# KiCad board ECUGDI.kicad_pcb (continued)
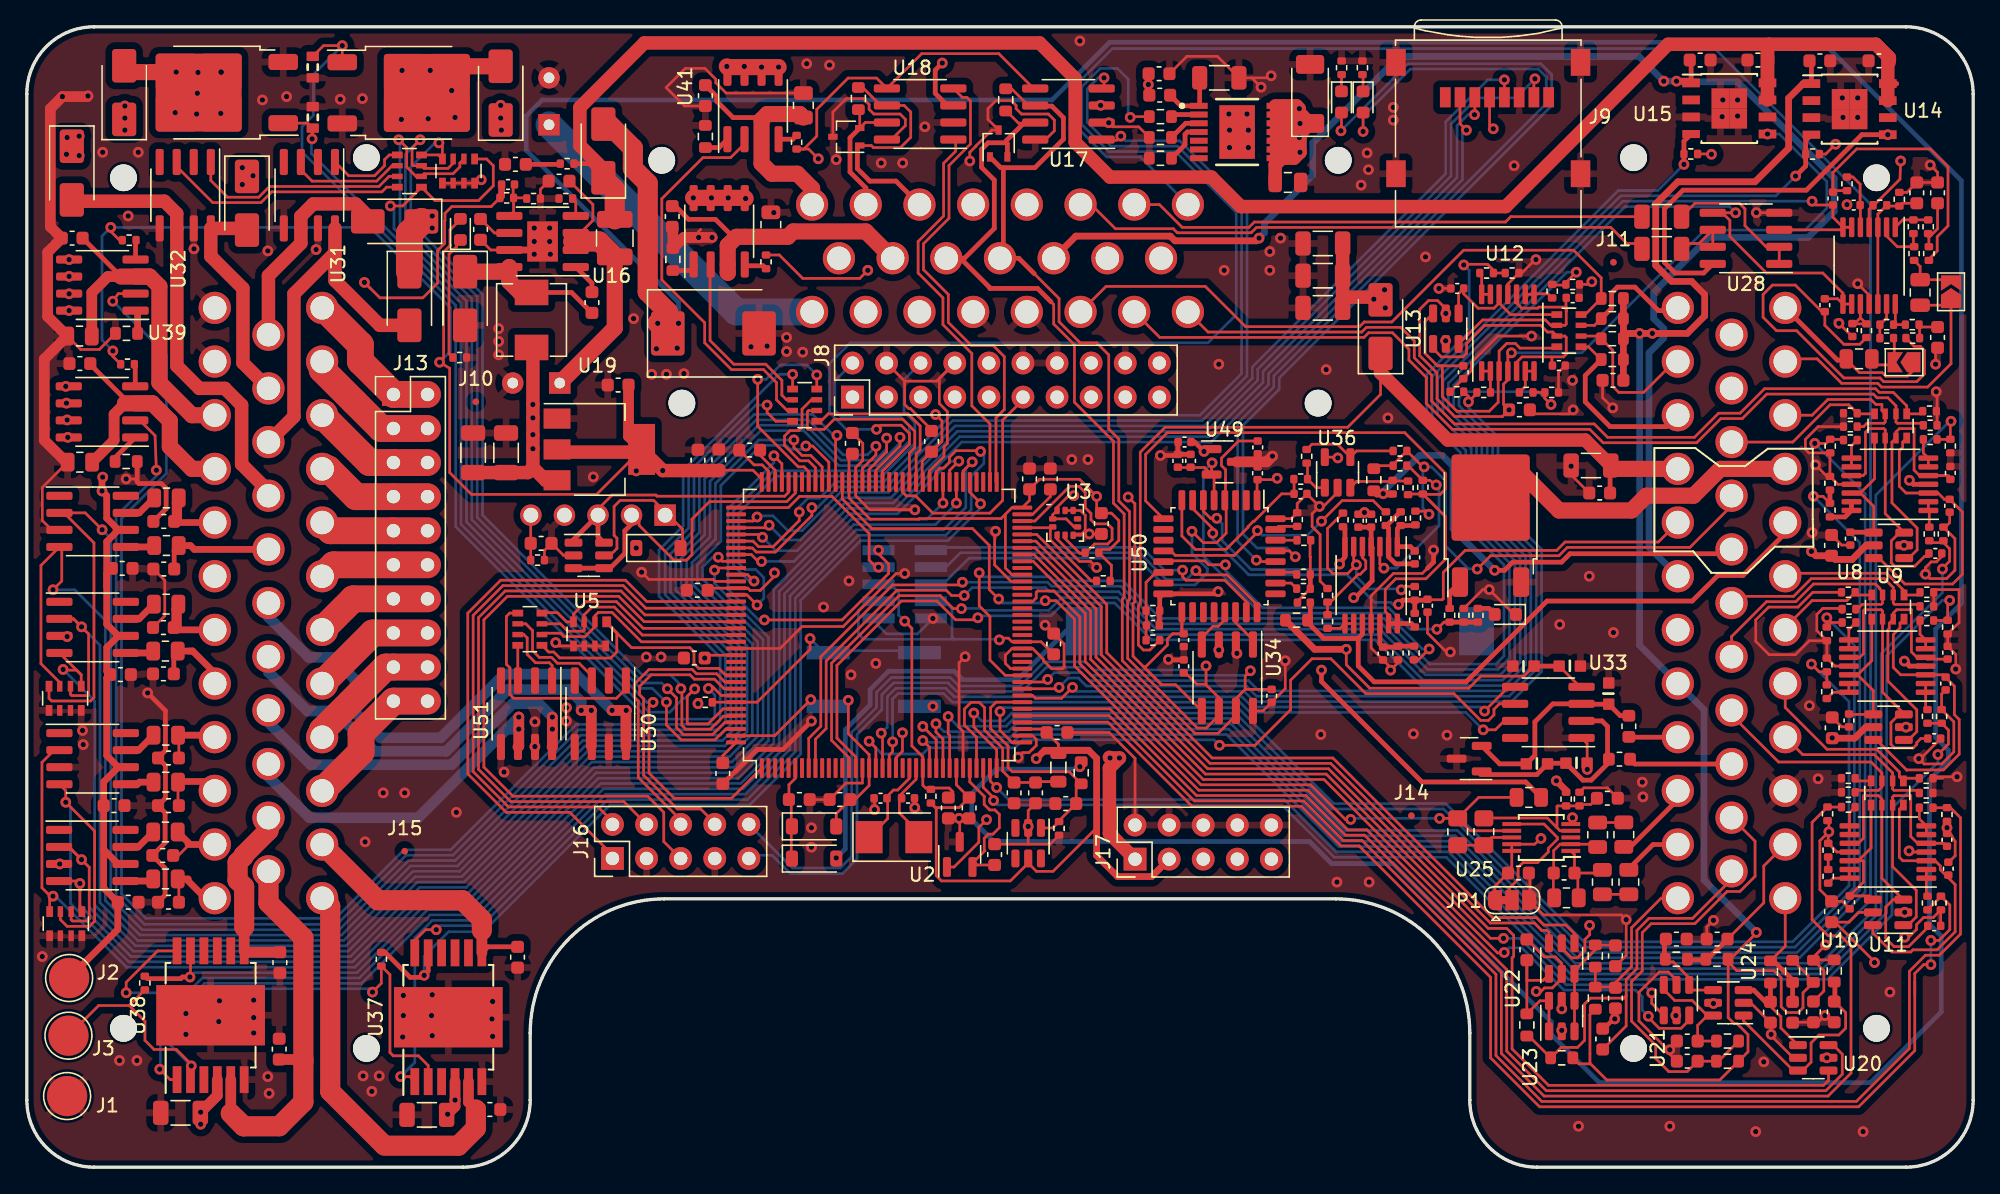
[diagram p0: board, top side]
## Nets (continued)
/quad_analog3/IN4: R80.1 RN3.4
/quad_analog3/OUT4: R84.1 R88.2
/R_D: C140.1 J6.22
/RESETB: J8.3
/starter: C3.2 D8.1 J5.22 J5.23 U1.8 U1.9 U1.10 U1.11 U1.12 U1.13 U1.14
/UART_RX: J8.2 U4.119
/UART_TX: J8.6 U4.122
/USB_D+: J12.3 U4.104 U5.1 U5.6
/USB_D-: J12.2 U4.103 U5.3 U5.4
/USB_SHIELD: C78.1 J12.5 R52.1
/VR1+: J5.26 R121.2
/VR1-: J5.25 R122.2
/WDO/Boot0: R32.2 U50.31
/WDO/CAN_RX: U34.4 U50.21
/WDO/CAN_TX: U34.1 U50.22
/WDO/heater_pwm: R21.2 R22.2 R24.2 U50.13
/WDO/Ip_dac: R7.1 U50.12
/WDO/Ip_sense: C23.1 R25.2 U50.8
/WDO/LED_BLUE: D5.2 U50.28
/WDO/LED_GREEN: D4.2 U50.29
/WDO/LSU_Un_sense: R27.1 U35.8 U35.9
/WDO/Nernst_esr_drive_42: R16.2 U50.26
/WDO/Nernst_esr_drive_49: R15.2 U50.30
/WDO/Nernst_esr_drive_adv: R17.2 U50.27
/WDO/nRESET_1: C26.1 J7.5 U50.4
/WDO/SEL_1: U50.15
/WDO/SEL_2: U50.18
/WDO/SWCLK_1: J7.3 U50.24
/WDO/SWDIO_1: J7.1 U50.23
/WDO/Un_sense: R29.2 U35.7 U50.6
/WDO/Vm: R8.2 R12.2 R20.2 U35.13 U35.14 U50.9
Net-(BT1-+): BT1.1 D17.2
Net-(C19-Pad1): C19.1 R9.1 R11.2 U35.1
Net-(C22-Pad2): C22.2 R15.1 R16.1 R17.1
Net-(C103-Pad1): C103.1 R102.2
Net-(C131-Pad1): C131.1 JP2.2 R139.2
Net-(C132-Pad1): C132.1 JP3.2 R140.2
Net-(C133-Pad2): C133.2 R143.1 R145.2
Net-(C134-Pad2): C134.2 R144.1 R146.2
Net-(C135-Pad1): C135.1 R145.1 R147.2
Net-(C136-Pad1): C136.1 R146.1 R148.2
Net-(D3-A): D3.2 R21.1
Net-(D4-K): D4.1 R33.2
Net-(D5-K): D5.1 R34.2
Net-(D17-K): C75.1 D17.1 D18.1 U4.6
Net-(D19-K): D19.1 R45.2
Net-(D24-A): D24.2 J12.1 U5.5
Net-(D28-K): C109.2 D28.1 L4.1 U16.8
Net-(JP1-C): JP1.2 U25.6
Net-(Q1-G): Q1.1 R24.1
Net-(R23-Pad1): R23.1 R25.1 U36.1
Net-(R121-Pad1): R121.1 R125.2
Net-(R122-Pad1): R122.1 R126.2
Net-(R141-Pad1): R141.1 R143.2 U27.1
Net-(R142-Pad1): R142.1 R144.2 U27.14
Net-(RN1-R1.2): C81.1 RN1.8 U6.3 U7.6
Net-(RN1-R2.2): C82.1 RN1.7 U6.5 U7.1
Net-(RN1-R3.2): C83.1 RN1.6 U6.10 U7.3
Net-(RN1-R4.2): C84.1 RN1.5 U6.12 U7.4
Net-(RN2-R1.2): C86.1 RN2.8 U8.3 U9.6
Net-(RN2-R2.2): C87.1 RN2.7 U8.5 U9.1
Net-(RN2-R3.2): C88.1 RN2.6 U8.10 U9.3
Net-(RN2-R4.2): C89.1 RN2.5 U8.12 U9.4
Net-(RN3-R1.2): C91.1 RN3.8 U10.3 U11.6
Net-(RN3-R2.2): C92.1 RN3.7 U10.5 U11.1
Net-(RN3-R3.2): C93.1 RN3.6 U10.10 U11.3
Net-(RN3-R4.2): C94.1 RN3.5 U10.12 U11.4
Net-(RN4-R1.2): C97.1 RN4.8 U12.3 U13.6
Net-(RN4-R2.2): C98.1 RN4.7 U12.5 U13.1
Net-(RN4-R3.2): C99.1 RN4.6 U12.10 U13.3
Net-(RN4-R4.2): C100.1 RN4.5 U12.12 U13.4
Net-(RN6-R1.2): RN6.8 U51.3
Net-(RN6-R2.2): RN6.7 U51.1
Net-(RN6-R3.2): RN6.6 U30.3
Net-(RN6-R4.2): RN6.5 U30.1
Net-(RN8-R1.2): RN8.8 U32.3
Net-(RN8-R2.2): RN8.7 U32.1
Net-(RN8-R3.2): RN8.6 U31.3
Net-(RN8-R4.2): RN8.5 U31.1
Net-(RN13-R1.2): RN13.8 U42.2
Net-(RN13-R2.2): RN13.7 U41.2
Net-(RN13-R3.2): RN13.6 U40.2
Net-(RN13-R4.2): RN13.5 U39.2
Net-(U1-DEN): R2.1 U1.3
Net-(U1-GND): C1.2 R36.2 U1.1
Net-(U1-IN): R1.2 U1.2
Net-(U1-IS): R35.2 U1.4
Net-(U2-OUT): C65.1 U2.2 U4.32
Net-(U4-PH0): C69.1 U4.23 Y2.1
Net-(U4-PH1): C70.1 U4.24 Y2.2
Net-(U4-VCAP_1): C72.1 U4.71
Net-(U4-VCAP_2): C73.1 U4.106
Net-(U6A--): R57.2 U6.1 U6.2
Net-(U6B--): R58.2 U6.6 U6.7
Net-(U6C--): R59.2 U6.8 U6.9
Net-(U6D--): R60.2 U6.13 U6.14
Net-(U8A--): R69.2 U8.1 U8.2
Net-(U8B--): R70.2 U8.6 U8.7
Net-(U8C--): R71.2 U8.8 U8.9
Net-(U8D--): R72.2 U8.13 U8.14
Net-(U10A--): R81.2 U10.1 U10.2
Net-(U10B--): R82.2 U10.6 U10.7
Net-(U10C--): R83.2 U10.8 U10.9
Net-(U10D--): R84.2 U10.13 U10.14
Net-(U12A--): R93.2 U12.1 U12.2
Net-(U12B--): R94.2 U12.6 U12.7
Net-(U12C--): R95.2 U12.8 U12.9
Net-(U12D--): R96.2 U12.13 U12.14
Net-(U16-BOOT): C109.1 U16.1
Net-(U16-EN): C105.1 C106.1 L3.2 U16.2 U16.3
Net-(U16-FB): C110.2 R105.1 R106.1 U16.5
Net-(U16-RT): R103.1 U16.4
Net-(U16-SS): C107.1 U16.6
Net-(U23-IO1): C123.1 R118.1 U22.1 U23.1 U23.6
Net-(U23-IO2): C125.1 R120.1 U22.3 U23.3 U23.4
Net-(U24-IO1): C124.1 R119.1 U20.3 U24.1
Net-(U24-IO2): C120.1 R115.1 U20.1 U24.3
Net-(U24-IO3): C121.1 R116.1 U21.1 U24.4
Net-(U24-IO4): C122.1 R117.1 U21.3 U24.6
Net-(U25-BIAS): C128.1 R131.2 R132.2 R133.2 U25.4
Net-(U25-EXT): R133.1 R134.2 U25.8
Net-(U25-IN+): C126.2 R126.1 R129.1 U25.1
Net-(U25-IN-): C126.1 R125.1 R129.2 U25.2
Net-(U27A--): R139.1 R141.2 U27.2
Net-(U27B-+): C137.2 R147.1 U27.5
Net-(U27C-+): C138.2 R148.1 U27.10
Net-(U27D--): R140.1 R142.2 U27.13
Net-(U28A--): C140.2 U28.1 U28.2
Net-(U28B--): C139.2 U28.6 U28.7
Net-(U33-T+): C13.2 C14.2 D6.2 L1.2 U33.3
Net-(U33-T-): C12.2 C13.1 D6.1 L2.2 U33.2
Net-(U35A-+): R8.1 R10.2 U35.3
Net-(U35A--): C19.2 R7.2 R9.2 U35.2
Net-(U35B-+): R27.2 R28.1 U35.5
Net-(U35B--): R26.2 R29.1 U35.6
Net-(U35D-+): C17.1 R5.2 R6.1 U35.12
Net-(U36-+): R19.1 R20.1 U36.3
Net-(U36--): R18.1 R23.2 U36.4
Net-(U39-GND): R152.1 U39.1
Net-(U39-ST): R151.1 U39.4
Net-(U40-GND): R155.1 U40.1
Net-(U40-ST): R154.1 U40.4
Net-(U41-GND): R158.1 U41.1
Net-(U41-ST): R157.1 U41.4
Net-(U42-GND): R161.1 U42.1
Net-(U42-ST): R160.1 U42.4
Net-(U43-OUT_A): R163.2 U43.7
Net-(U43-OUT_B): R164.2 U43.5
Net-(U44-OUT_A): R165.2 U44.7
Net-(U44-OUT_B): R166.2 U44.5
Net-(U47-OUT_A): R171.2 U47.7
Net-(U47-OUT_B): R172.2 U47.5
Net-(U48-OUT_A): R173.2 U48.7
Net-(U48-OUT_B): R174.2 U48.5
Net-(U50-PB0): C24.1 R30.2 R31.1 U50.14

Pads without a net: J8 13 15 17; J9 1 8; U1 5 6 7; U3 7; U4 7 10 11 12 13 22 49 50 53 54 55 56 57 60 63 75 76 102 110 132 133; U14 2 6; U15 2 6; U25 3; U26 3 4 6; U30 2 4; U31 2 4; U32 2 4; U33 8; U37 3 8 9 10; U38 3 8 9 10; U43 1 8; U44 1 8; U47 1 8; U48 1 8; U50 2 3 10 11 19 20 25; U51 2 4

## Via types
v1: diameter 0.8, hole 0.4, Top to Bottom, 493 vias

## Routing (per net, layer and track width the routed paths; a pad name or vN(x,y) marks a point on that pad's centre or on a via; arc(x,y) is an arc through that point)
+3.3V: length 875.7
  Top w0.2: U4.62 73.39,44.16 72.9,44.66 72.9,48.67 ; 7.62,12.05 8.8,10.88 8.8,9.45 9.47,8.78 11.14,8.78 12.19,7.73 12.19,7.61 v1(12.25,7.55) 12.19,7.49 U38.2 ; 7.62,12.05 5.35,12.05 J3.1 ; 7.62,12.05 R150.2 ; U4.131 50.71,38.16 v1(50.5,37.95) ; 61.3,50.35 61.25,50.4 U4.95 ; 61.6,52.98 61.3,52.98 61.25,52.93 U4.95 ; C32.2 111.54,36.6 108.32,36.6 107.42,35.7 100.05,35.7 98.3,37.45 v1(98.3,38.6) ; C67.2 75.71,32.66 U4.39 ; C67.2 75.95,32.38 ; C67.2 76.85,31.53 FB1.1 75.56,30.86 v1(75.2,30.45) 75.3,30.6 ; R151.2 6.9,69.1 6.25,69.75 v1(6.25,70.05) 6.3,69.9 ; 109.1,77.4 v1(109.25,77.4) 108.97,77.68 J9.4 ; 84.53,35.97 83.2,37.3 83.35,37.3 84.97,38.92 84.97,39.37 85.37,39.77 C30.1 86.05,39.91 U50.17 86.05,39.63 ; 84.53,35.97 82.41,38.09 82.41,42.02 82.55,42.16 82.55,49.45 v1(82.05,49.95) 82.1,50 ; 84.53,35.97 85.58,35.97 U34.5 ; 58.97,75.13 v1(58.97,75.17) 58.24,75.89 R157.2 57.89,75.89 58.85,76.85 58.85,78.85 61.18,81.18 63.31,81.18 U18.5 66.66,83 72.41,83 75.05,80.36 ; v1(58.4,34.85) 55.71,32.16 U4.143 U4.144 51.85,30.68 C63.2 ; 139.55,74.85 v1(139.6,75) 139.55,73.65 137.6,71.7 R137.2 137.25,71.41 U27.4 ; v1(134.75,76.25) 134.01,75.52 R101.2 ; U4.95 61.25,49.88 62.83,48.3 66.45,48.3 66.5,48.35 72.58,48.35 72.9,48.67 ; v1(79.7,50) 79.68,49.93 ; v1(79.7,50) 79.7,49.1 C58.1 80.8,48.75 81.35,48.2 81.35,46.72 80.68,46.05 80.11,46.05 R41.1 80.8,44.86 80.8,43.79 R42.1 ; v1(79.7,50) 78.43,51.28 75.45,51.28 C60.2 74.7,49.7 U4.72 73.39,49.16 72.9,48.67 ; v1(67.7,56.1) 68.18,55.63 68.18,54.1 66.7,52.63 66.7,51.1 66.72,51.08 U4.84 ; U4.108 54.75,51.3 54.1,51.95 C56.2 ; 77.8,50.05 v1(78,50.05) 77.61,50.05 76.75,49.19 U3.10 76.43,48.63 76.43,48.33 77.43,48.33 78.03,47.73 U3.6 ; 93,51.35 v1(93.15,51.35) 92.9,51.25 C31.1 91.65,51.21 U50.1 ; 62.5,66.7 v1(62.65,66.85) 62.05,66.25 57.8,66.25 56.06,67.99 R154.2 ; U37.2 29.9,7.58 29.17,8.3 27.3,8.3 27.05,8.55 27.05,14.35 R149.2 26.41,13.71 v1(25.75,13.05) 25.9,13.2 ; 55.65,44.17 v1(55.7,44.3) 55.7,44.05 54.64,42.99 53.88,42.99 53.71,43.16 U4.121 ; U19.2 42.45,50.15 33.12,50.15 31.5,51.77 31.5,59.55 v1(30.75,60) 31.05,60.3 31.05,68.22 31.53,68.69 31.53,69.86 32.2,70.54 32,70.74 ; v1(72.45,39.3) 72.58,39.43 73.12,39.43 73.39,39.16 U4.52 75.56,39.16 C66.2 ; U36.5 97.61,52.93 v1(97.67,52.87) ; v1(6.41,60.84) 6.41,60.43 R160.2 ; 125.38,75.53 125.4,75.53 v1(125.5,75.5) 125.35,75.53 R104.2 ; 53.62,43.11 53.57,43.16 U4.121 ; U4.30 69.25,28.5 C68.2 69.45,26.8 67.69,26.8 R43.2 67.75,26.74 67.75,21.73 68.14,21.34 73.27,21.34 74.6,22.66 ; 74.6,22.66 75.21,22.05 76.45,22.05 79.7,25.3 ; 74.6,22.66 U26.5 ; 50.72,43 50.89,43.16 U4.121 ; D18.2 60.3,26.35 C64.2 61.7,27.4 62.75,28.45 U4.17 62.75,30.76 62.74,30.76 62.15,31.35 62.16,31.36 61.2,32.31 v1(61.2,34.8) ; C29.2 115.7,35.81 U33.4
  Top w0.35: C29.2 C32.2 ; R135.1 111.66,28.71 103.94,28.71 96.45,36.2 v1(96.45,37.05) ; 99.1,42.5 v1(98.85,42.45) 98.97,42.45 100.23,43.7 100.23,46.17 U35.4 ; U35.4 C18.1 C20.1 ; U35.4 100.15,46.05
  Top w0.5: 93.76,40.78 95.94,38.6 v1(98.3,38.6) ; 79.09,31.08 75.82,31.08 v1(75.2,30.45) ; 79.09,31.08 77.06,31.08 FB1.1 ; 79.09,31.08 79.7,30.47 79.7,23.22 81.26,21.66 83.8,21.66 J17.3
  Top w0.8: U19.2 44.83,54.48 C113.1
  Top w1: U19.2 39.7,53.3 45.6,53.3 U19.2 v1(47.38,51.93) 51.53,51.93 C56.2
  In2.PWR w0.2: v1(58.97,75.17) 60,74.13 60,70.4 62.65,67.75 v1(62.65,66.85) ; 4.95,60 5.57,60 v1(6.41,60.84) ; v1(67.7,56.1) 68.8,55 ; 58.35,35.9 58.35,34.9 v1(58.4,34.85) ; v1(79.7,50) 79.95,50 ; v1(25.75,13.05) 25.55,13.05
  In2.PWR w0.35: v1(109.25,77.4) 123.6,77.4 v1(125.5,75.5) 126.4,75.5 128.75,77.85 133.15,77.85 v1(134.75,76.25) 137.6,76.25 138.85,75 v1(139.6,75)
  In2.PWR w0.5: v1(98.3,38.6) 98.3,39.75 ; 98.3,39.75 98.3,38.9 v1(96.45,37.05) ; 98.3,39.75 98.3,41.9 v1(98.85,42.45) ; v1(62.65,66.85) 63.8,65.7 93.34,65.7 96.74,69.1 ; 94.67,52.87 103.4,61.6 103.4,66 100.3,69.1 96.74,69.1 ; v1(109.25,77.4) 104.95,73.1 104.85,73.1 97.1,80.85 93.99,80.85 92.85,79.71 92.85,72.99 96.74,69.1
  In2.PWR w1: 56.4,36.85 v1(58.4,34.85) ; 56.4,36.85 56.4,40.68 ; 56.4,36.85 58.45,34.8 59.7,34.8 ; v1(47.38,51.93) 48.3,51 ; 48.3,51 53.71,51 56.4,48.31 ; 48.3,51 47.4,51.9 v1(45.4,51.9) 41.5,55.8 41.5,59.54 37.34,63.7 35.19,63.7 31.74,67.15 12.72,67.15 4.4,58.83 4.4,47.16 5.15,46.41 7.46,46.41 11,49.95 15.1,49.95 17.1,47.95 18.8,47.95 19.9,46.85 19.9,41 19.05,40.15 16.9,40.15 14.7,37.95 13.2,37.95 9.1,33.85 9.1,9.66 11,7.76 11,7.75 11.2,7.55 v1(12.25,7.55) 16.8,7.55 22.2,12.95 25.65,12.95 v1(25.75,13.05) ; 56.4,40.68 53.67,37.95 v1(50.5,37.95) ; 56.4,40.68 56.4,45 ; 72.45,35.06 65.31,35.06 65.05,34.8 ; 72.45,35.06 v1(72.45,39.3) ; 72.45,35.06 73.44,35.06 75.2,33.3 v1(75.2,30.45) ; 65.05,34.8 67.05,34.8 v1(67.5,34.35) ; 65.05,34.8 59.7,34.8 ; 81.2,50 82,50 v1(82.05,49.95) ; 81.2,50 83.05,50 85.95,52.9 85.95,53.95 87.05,55.05 92.49,55.05 94.67,52.87 ; 81.2,50 79.05,50 ; 56.4,48.31 56.4,49.24 59.06,51.9 64.11,51.9 67.7,55.49 ; 56.4,48.31 56.4,45 ; 94.67,52.87 v1(93.15,51.35) 93.15,48.41 95.6,45.96 95.6,45.59 98.74,42.45 v1(98.85,42.45) ; 94.67,52.87 v1(97.67,52.87) ; 59.7,34.8 v1(61.2,34.8) ; 76.57,51.48 78.05,50 79.05,50 ; 76.57,51.48 v1(78,50.05) ; 76.57,51.48 73.25,54.8 68.39,54.8 67.7,55.49 ; 56.4,45 v1(55.7,44.3) ; 79.05,50 v1(79.7,50) ; 67.7,55.49 v1(67.7,56.1)
  Bottom w0.2: J7.8 62.62,42.18 61.95,41.51 61.95,39.75 62.35,39.35 69.1,39.35 ; 69.1,39.35 72.4,39.35 v1(72.45,39.3) 72.55,39.3 72.6,39.35 ; 69.1,39.35 68.92,39.53 68.92,41.63 68.37,42.18 J7.7 ; v1(12.25,7.55) 10.45,9.35 10.45,12.03 10.62,12.2 12.3,12.2 13.4,13.3 25.5,13.3 v1(25.75,13.05) ; v1(30.75,60) 31.55,60.8 31.55,64.07 25.57,70.05 v1(6.25,70.05) 5.6,69.4 5.6,61.65 v1(6.41,60.84)
+5V: length 684.2
  Top w0.2: 109.38,19.82 109.38,20.95 C129.1 110.62,22.2 U25.10 U25.9 112.32,24.08 v1(112.8,24.5) 112.65,24.4 ; v1(116.43,18.03) 116.43,17.32 116.07,16.97 116.07,16.16 115.51,15.6 115.09,15.6 114.35,16.34 U22.5 ; R106.2 34.59,71.6 31.65,71.6 31.15,71.1 31.15,70.55 31.12,70.53 31.12,68.86 30.6,68.33 30.6,65.9 29.5,64.8 26.3,64.8 v1(25.15,65.95) 25.65,65.45 ; U2.1 69.08,22.38 70.93,24.22 70.93,25.33 v1(71.5,25.9) ; v1(105.71,63.64) 105.71,63.99 105.1,64.6 104.43,64.6 103.76,63.94 103.76,60.5 105.06,59.21 105.06,57.27 106.37,55.95 109.93,55.95 v1(110.43,56.45) 110.02,56.86 110.02,58.36 110.34,58.68 U12.4 110.34,60.44 v1(110.6,60.7) 110.45,60.55 110.45,60.45 ; U11.5 136.48,18.99 135.75,18.27 C90.1 134.7,18.27 137.65,15.32 v1(137.65,15.25) 137.52,15.45 ; U10.4 140.31,23.49 v1(140.22,23.58)
  Top w0.35: U34.3 88.81,38.56 v1(88.8,38.55) 88.81,38.55 88.81,38.1 ; 45.35,46.15 v1(45.4,46.15) 45.35,46.35 45.5,46.5 ; v1(87.7,53.35) 87,54.05 C25.1 ; U8.4 140.55,50.9 v1(140.25,51.2) ; C151.2 6.33,44.66 ; U18.3 68.58,79.14 67.68,80.04 67.68,81.78 v1(68.2,82.3) 68.3,82.2 ; U6.4 140.25,37.35 v1(139.87,37.72) 139.98,37.72 140.15,37.55 ; U28.8 124.92,66.65 122.8,66.65 122,67.45 122,71.44 123.38,72.83 132.57,72.83 136.71,76.96 v1(138.64,76.96)
  Top w0.5: C80.1 v1(134.5,32) 134.53,31.98 136.18,31.98 137,32.8 U7.5 ; 6.82,39.6 5.95,40.47 5.95,43.3 ; 6.82,39.6 U44.6 ; 6.82,39.6 5.95,38.73 5.95,36.97 C152.2 5.95,36.47 5.95,30.69 6.82,29.82 ; R131.1 114.68,28.08 v1(113.95,28.8) ; 5.95,43.3 5.95,46.63 6.82,47.5 ; 5.95,43.3 5.95,44.26 C151.2 ; 5.72,23.67 5.72,20.8 6.78,19.75 6.78,17.73 J2.1 ; 5.72,23.67 C163.2 5.72,28.72 6.82,29.82 ; 5.72,23.67 6.8,22.6 U48.6 ; 6.82,47.5 U43.6 ; 6.82,47.5 5.95,48.37 5.95,50.05 v1(5.6,50.4) 5.6,51.38 v1(5.65,51.43) ; R106.2 35.37,72.38 C110.1 ; 6.82,29.82 U47.6 ; U9.5 137.03,46.35 135.98,45.3 134.72,45.3 C85.1 133.28,45.58 v1(132.95,45.9)
  Top w1: J17.1 80.65,24.87 80.65,29.75 v1(81.4,30.5) v1(80.7,30.5) 80.65,30.55 ; 37.7,52.15 37.33,51.78 33.25,51.78 ; 37.7,52.15 v1(37.7,53.55) v1(37.7,54.6) v1(37.7,55.85) v1(37.7,56.85) 37.7,61 L4.2 ; 37.7,52.15 38.65,51.2 U19.3
  In2.PWR w0.35: v1(87.7,53.35) 84.65,50.3 84.65,42.7 v1(88.8,38.55)
  In2.PWR w0.5: v1(112.8,24.5) 113.95,25.65 v1(113.95,28.8)
  In2.PWR w1: 136.88,14.48 v1(137.65,15.25) ; 136.88,14.48 136.88,19.08 140.22,22.43 140.22,25.23 ; 136.88,14.48 135.15,12.75 129.5,12.75 ; 84.09,82.8 135.7,82.8 139.2,79.3 139.2,76.96 ; 84.09,82.8 80.44,79.15 v1(80,79.15) ; 84.09,82.8 77.35,82.8 76.85,82.3 v1(68.2,82.3) ; 125.1,12.75 v1(125.65,12.2) ; 125.1,12.75 129.5,12.75 ; 125.1,12.75 122.85,12.75 ; 79.35,31.55 83.15,35.35 89.55,35.35 ; 79.35,31.55 78.5,31.55 72.85,25.9 v1(71.5,25.9) 71.5,26 68.8,28.7 64.24,28.7 61.29,31.65 41.3,31.65 37.4,27.75 34.5,27.75 33.3,28.95 33.3,44.75 34.7,46.15 ; 79.35,31.55 80.07,32.28 ; 79.35,31.55 80.35,30.55 81.4,30.55 ; v1(112.8,24.5) 116.95,20.35 116.95,18.55 114.35,15.95 114.35,12.75 ; 139.2,76.96 140.7,75.46 140.7,68.75 139.72,67.77 ; 139.2,76.96 v1(138.64,76.96) ; 114.35,12.75 v1(114.35,11.8) ; 114.35,12.75 115.69,14.09 121.51,14.09 122.85,12.75 ; 5.6,51.5 5.6,58.34 13.21,65.95 v1(25.15,65.95) 26.36,65.95 37.7,54.61 v1(37.7,53.55) ; 5.6,51.5 v1(5.6,50.4) ; 5.6,51.5 5.6,51.49 v1(5.65,51.43) ; v1(37.7,54.6) v1(37.7,53.55) ; v1(37.7,53.55) v1(37.7,56.85) ; v1(37.7,53.55) 34.95,50.8 34.95,46.4 34.7,46.15 ; 137.55,28.95 v1(134.5,32) ; 137.55,28.95 137.55,27.9 140.22,25.23 ; 137.55,28.95 137.55,32.25 139.87,34.57 139.87,36.4 ; 135.05,45.9 135.05,43.8 139.87,38.98 139.87,36.4 ; 135.05,45.9 139.72,50.58 ; 135.05,45.9 v1(132.95,45.9) 132.85,46 130.26,46 128.41,44.15 125.85,44.15 124.05,45.95 122.21,45.95 111.85,35.59 111.85,35.35 89.55,35.35 ; 139.72,50.58 140.25,51.1 v1(140.25,51.2) ; 139.72,50.58 139.72,67.77 ; v1(45.4,46.15) 34.7,46.15 ; 122.85,12.75 v1(122.85,11.3) ; 129.5,12.75 v1(134.1,8.15) ; 89.55,35.35 88.95,35.95 88.95,38.4 v1(88.8,38.55) ; 81.79,22.96 J17.1 ; 139.87,36.4 v1(139.87,37.72) ; 139.72,67.77 135.67,67.77 129.68,73.77 129.68,76.98 ; 140.22,25.23 v1(140.22,23.58)
  Bottom w0.2: v1(129.68,77.01) 130.56,77.01 134.1,73.47 134.1,71.48 132.47,69.85 125,69.85 115.85,60.7 v1(110.6,60.7)
/5V_SENSOR_1: length 144
  Top w0.2: 128.95,17.55 128.9,17.55 v1(128.85,17.5) 128.85,17.45 126.9,15.5 R110.1 ; 133.1,13.85 R113.1 132.32,13 132.32,11.88 131.97,11.53 131.13,11.53 130.7,11.96 130.7,14.11 130.16,14.65 127.39,14.65 126.74,15.3 R110.1 ; 116.45,7.75 117.7,6.5 126.12,6.5 R111.1 128.22,8.6 128.22,9.88 127.41,10.7 127.2,10.7 126.75,11.15 126.75,15.49 R110.1 ; 116.45,7.75 116.4,7.7 115.62,7.7 115.18,8.15 ; 116.45,7.75 116.45,11.38 R114.1 ; C96.2 R92.1 119.04,64.65 ; R109.1 132.7,14.28 132.7,13.61
  Top w0.35: U14.1 132.95,82.32 C102.1
  Top w0.5: 122.15,62.15 v1(121.1,62.15) ; 122.15,62.15 119.3,62.15 ; 122.15,62.15 123.7,62.15 125,63.45 125,65.05 124.03,66.03 122.54,66.03 121.35,67.22 121.35,71.8 121.35,71.8 123,73.45 128.75,73.45 131.25,75.95 131.25,79.68 132.34,80.77 U14.1 ; R91.1 R92.1 ; R91.1 118.94,62.15 119.3,62.15 ; R91.1 C96.2 ; v1(120.15,62.15) 119.3,62.15
  Bottom w0.5: v1(128.85,17.5) 124.95,21.4 124.95,34.1 J5.28 120.15,38.9 v1(120.15,62.15) v1(121.1,62.15)
/5V_SENSOR_2: length 114.5
  Top w0.35: U15.1 123.99,82.43 C108.1
  Top w0.5: v1(122.9,80.95) 123.86,80.95 U15.1 ; J6.13 78.15,69.4 85.18,69.4 85.53,69.05 91.6,69.05 v1(91.8,69.25)
  Bottom w0.5: v1(121.95,80.95) 122,80.9 122.05,80.9 ; v1(121.95,80.95) v1(122.9,80.95) 122.95,80.9 127.45,80.9 134.65,73.7 134.65,71.25 132.7,69.3 125.3,69.3 121.2,65.2 121.2,63.25 121.95,62.5 121.95,61.8 120.85,60.7 120.85,46.2 J5.30 ; v1(121.95,80.95) 120.1,82.8 102.35,82.8 102,82.45 101.9,82.45 95.8,76.35 95.8,73.95 92.2,70.35 92.2,69.65 v1(91.8,69.25)
/12V_IGN: length 332.7
  Top w1.5: D26.1 v1(47,62.9) 47.75,63.75 46.26,65.24 46.26,73.34 45.15,74.44 45.15,75.95 43.25,77.85
  In2.PWR w1.5: v1(47,62.9) v1(48.55,62.9) ; v1(47,62.9) 47.65,62.25 47.65,61.2 ; v1(47,62.9) 47,61.1 v1(46.9,61) 48.4,61 v1(48.45,61.05) 48.55,61.15 v1(48.55,62.9) ; v1(48.55,62.9) 53.4,67.75 J6.9
  Bottom w0.35: v1(48.55,62.9) 48.55,64.45 37.2,75.8 37.2,78.35 38.4,79.55 76.37,79.55 80.67,83.85 133.8,83.85 144.12,73.53 144.12,42.03 142.2,40.1 142.2,32.03 143.15,31.08 143.15,30.28 141.75,28.88 141.75,18.1 142.62,17.22 142.62,11.58 137.35,6.3 117.15,6.3 113.57,9.88 113.57,10.83 101.78,22.63 97.2,22.63 95.55,24.28 72.03,24.28 70.4,25.9 70.4,27.85 72.22,29.68 78.28,29.68 v1(78.45,29.85)
/12V_MR: length 514.5
  Top w0.5: J4.6 14,44.53
  Top w0.8: C144.2 12.95,4.08 v1(12.95,4.1) 14.19,5.34 U38.4 ; U37.4 v1(31.9,5) 31.9,4.53 31.28,3.9
  Top w1: 98.03,64.25 98.03,69.05 ; 98.22,64.65 98.03,64.85 100.2,64.85 v1(100.35,64.7) 100.5,64.85 100.65,64.85 D2.2 100.7,64.65 ; 100.9,64.6 v1(101.2,64.05) v1(101.15,65.4) 101.1,64.8
  Top w1.2: v1(56,82) 52.2,82 v1(52.15,82.05) ; U40.6 v1(52.25,72.25) ; U40.7 v1(51,72.25) ; v1(53.55,72.2) U40.5 53.47,72.25 v1(49.65,72.25) U40.8
  Top w2: D15.1 28.5,69.6 D13.1
  In1.GND w1.2: v1(53.55,72.2) 53.5,72.25 v1(49.65,72.25)
  In1.GND w2: 49.6,72.3 49.7,72.2 v1(53.55,72.2) ; 49.6,72.3 49.6,79.75 51.85,82 v1(56,82) ; 49.6,72.3 v1(49.65,72.25)
  In2.PWR w0.8: v1(31.9,5) 31.9,7.2 ; J6.1 58.5,62.6
  In2.PWR w1: J6.2 64.4,61.85 97.8,61.85 100.35,64.4 v1(100.35,64.7) ; v1(100.35,64.7) 100.45,64.7 v1(101.15,65.4) ; v1(100.35,64.7) 100.55,64.7 v1(101.2,64.05)
  In2.PWR w1.5: C55.1 38.5,77.3 v1(35.35,77.3) 35.35,79.1 v1(35.3,79.15) 31,83.45 27.25,83.45 26.2,82.4 26.2,82.25 20.79,82.25 19.69,83.35 10.45,83.35 7.3,80.2 v1(7.3,79.1) v1(7.3,77.3)
  In2.PWR w3: 30.1,3.2 32.55,5.65 32.55,14.3 41,22.75 41,26.53 43.92,29.45 57.2,29.45 59.25,27.4 59.32,27.4 60.55,26.17 60.55,26.1 63.4,23.25 76.35,23.25 81.45,28.35 93.48,28.35 95.45,26.38 ; 30.1,3.2 v1(31.9,5) ; 30.1,3.2 v1(12.95,3.2) 11.7,4.45 6.4,4.45 4.2,6.65 4.2,13.8 6.65,16.25 6.65,41.31 ; 39.53,64.63 38.2,65.95 36.06,65.95 31.61,70.4 29.2,70.4 28.15,69.35 25.55,69.35 24.35,70.55 19.45,70.55 15.95,74.05 14,74.05 7.25,67.3 3.5,67.3 v1(3.15,67.65) ; 39.53,64.63 43.7,60.45 43.7,57.3 46.75,54.25 49.92,54.25 51.65,55.98 51.65,61.82 53.78,63.95 60.7,63.95 ; 39.53,64.63 41.62,64.63 49.1,72.1 53.45,72.1 v1(53.55,72.2) ; J4.6 9.39,44.05 6.65,41.31 ; J5.29 122,40.05 111.5,29.55 98.62,29.55 95.45,26.38 ; 6.65,41.31 2.2,45.76 2.2,66.7 v1(3.15,67.65) ; v1(3.15,67.65) 3.15,76.95 ; J6.1 J6.2 62.3,63.95 60.7,63.95 ; 60.7,63.95 60.9,63.75 J6.3 ; 95.45,26.38 95.45,24.62 93.78,22.95 88.7,22.95
  Bottom w2: J6.1 52.85,63.75 C55.1
  vias: v1(2.9,58.2) v1(3,76.75) v1(2.95,75.5) v1(2.95,56.95) v1(3,55.7) v1(3.05,54.4) v1(3.15,66.4) v1(3.15,65.1) v1(3.15,63.85) v1(3.9,76.85) v1(3.9,75.4) v1(7.3,78.2) v1(16.05,74.5) v1(16.05,73.25) v1(16.85,73.9) v1(30.2,70.9) v1(30.2,70) v1(31.35,3.95) v1(35.3,78.2) v1(53.45,82.05) v1(54.73,82)
/12V_start: length 33.3
  Top w0.35: C1.1 83.57,79.96 83.57,80.68 v1(83.55,80.7) 83.57,80.73 C2.1
  In2.PWR w0.35: v1(89.55,78.5) 85.75,78.5 v1(83.55,80.7)
  In2.PWR w2.5: v1(90.9,78.5) v1(89.55,78.5) 89.6,78.45 v1(89.6,76) v1(91,76) ; v1(90.9,78.5) 91,78.4 v1(91,76) ; v1(90.9,78.5) 90.2,78.3 ; v1(91,76) 90.35,75.35 90.35,71.4 86.7,67.75 J6.15 J6.14
  vias: v1(89.6,77.3) v1(91,77.3)
/AV1: length 63.5
  Top w0.2: J6.8 88,62.25 99.45,62.25 99.8,62.6 102.35,62.6 103.36,61.59 103.36,60.33 104.66,59.04 104.66,57.1 106.36,55.4 116.77,55.4 117.77,54.4 124.23,54.4 126.03,56.2 127.63,56.2 129.46,58.03 137.73,58.03 138,57.75 139.05,57.75 140.05,56.75 RN2.1 141.04,56.15 R65.1
/AV2: length 67.9
  Top w0.2: J6.7 84.4,61.85 99.62,61.85 99.97,62.2 101.73,62.2 102.96,60.97 102.96,60.17 104.26,58.88 104.26,56.94 106.19,55 116.43,55 117.43,54 124.4,54 126.2,55.8 127.8,55.8 129.62,57.63 137.56,57.63 137.84,57.35 138.65,57.35 139.25,56.75 RN2.2 139.25,55.55 139.35,55.45 141.14,55.45 R66.1
/AV3: length 11.5
  Top w0.2: R67.1 136.83,55.2 137.08,55.45 138.35,55.45 138.45,55.55 RN2.3 138.2,56.4 138.2,56.85 137.75,56.85 137.38,57.23 134.18,57.23 133,56.05 J5.10
/AV4: length 12.2
  Top w0.2: R68.1 136.41,56.15 RN2.4 ; R68.1 136.39,56.23 136.43,56.23 ; R68.1 135.74,56.83 134.34,56.83 131.57,54.05 J5.21
/AV5: length 11.1
  Top w0.2: R53.1 140.84,42.65 RN1.1 139.85,42.97 138.55,44.27 131.22,44.27 J5.7
/AV6: length 16.3
  Top w0.2: J5.18 127.2,42.25 127.3,42.25 127.6,42.55 131.62,42.55 132.94,43.87 138.38,43.87 139.05,43.2 RN1.2 139.05,42.05 139.15,41.95 140.89,41.95 R54.1
/AV7: length 17.8
  Top w0.2: 136.26,41.35 136.26,41.48 136.73,41.95 138.15,41.95 138.25,42.05 RN1.3 138.25,42.9 138,43.15 138,43.2 137.73,43.47 133.11,43.47 131.79,42.15 129.6,42.15 127,39.55 J5.17
/AV8: length 7.8
  Top w0.2: RN1.4 136.41,42.65 R56.1 135.59,42.23 133,42.23 131,40.23 J5.6
/AV9: length 14.3
  Top w0.2: J5.5 131,34.26 134.11,31.15 137.81,31.15 139.5,29.46 139.5,29.09 RN3.1 140,28.99 R77.1
/AV10: length 12.4
  Top w0.2: J5.4 132.3,30.75 137.64,30.75 139,29.39 RN3.2 139,28.19 139.1,28.09 140.79,28.09 R78.1
/AV11: length 16.6
  Top w0.2: J5.16 127,33.7 130.5,30.2 137.39,30.2 138.2,29.39 RN3.3 138.2,28.34 137.95,28.09 136.36,28.09 R79.1 136.21,27.93 136.25,27.89
/mcu/5V_SENSOR_1_PG: length 125.2
  Top w0.2: v1(69.84,42.61) 68.89,42.61 68.5,43 64.82,43 59.55,37.73 59.55,32.7 58.75,31.9 U4.9
  Top w0.35: U14.4 132.52,76.53 R101.1 132.52,74.63 v1(131.77,73.88)
  Bottom w0.2: v1(69.84,42.61) 70.43,43.2 75.88,43.2 76.18,42.9 81.33,42.9 84.13,40.1 100.79,40.1 104.19,36.7 109.77,36.7 110.85,37.78 110.85,45.22 107.6,48.47 107.6,53.6 105.1,56.1 105.1,58.77 118.73,72.4 130.29,72.4 v1(131.77,73.88)
/mcu/5V_SENSOR_2_PG: length 116.8
  Top w0.2: 69.5,43.4 v1(69.7,43.6) 69.49,43.39 69.48,43.4 64.5,43.4 59.15,38.05 59.15,32.87 58.25,31.97 U4.8
  Top w0.35: U15.4 123.45,76.48 R104.1 v1(123.45,74.75)
  Bottom w0.2: v1(123.45,74.75) 121.5,72.8 118.57,72.8 104.7,58.93 104.7,55.93 107.2,53.43 107.2,48.31 110.45,45.06 110.45,37.94 109.61,37.1 104.35,37.1 100.95,40.5 84.3,40.5 81.5,43.3 76.35,43.3 76.05,43.6 v1(69.7,43.6)
/mcu/12V_DIVIDED: length 18.7
  Top w0.2: U26.1 76.43,25.29 R51.1 76.9,25.83 C79.1 78.18,28.55 78.38,28.75 77.65,29.48 73.43,29.48 73.1,29.8 73.1,31.39 71.8,32.69 71.8,34.25 72.21,34.66 U4.43 ; 78.32,28.7 78.45,28.58 R50.2
/mcu/AV1: length 113.8
  Top w0.2: v1(66.75,31.8) 67.25,31.3 U4.26 ; v1(142.71,44.58) 142.71,44.64 143.24,45.17 143.24,46.1 142.79,46.55 141.73,46.55
  Bottom w0.2: v1(142.71,44.58) 142.71,42.83 138.15,38.27 138.15,19.13 133.82,14.8 115.18,14.8 106.08,23.9 97.73,23.9 89.38,32.25 74.04,32.25 73.45,31.66 66.89,31.66 v1(66.75,31.8)
/mcu/AV2: length 125
  Top w0.2: U4.27 67.75,31.85 v1(66.75,32.85) ; v1(143.35,55.6) 143.3,55.55 R74.2 143.29,54.25 R70.1
  Bottom w0.2: v1(66.75,32.85) 67.54,32.06 73.29,32.06 73.87,32.65 89.55,32.65 97.9,24.3 106.24,24.3 115.34,15.2 133.65,15.2 137.75,19.3 137.75,50.1 143.25,55.6 v1(143.35,55.6)
/mcu/AV3: length 119.8
  Top w0.2: U4.28 68.25,31.92 67.73,32.44 v1(67.73,33.05) ; v1(133.2,53.95) 134.04,53.95 R75.2 134.36,54.25 135.34,54.25
  Bottom w0.2: v1(67.73,33.05) 68.32,32.46 73.12,32.46 73.71,33.05 89.71,33.05 98.06,24.7 106.41,24.7 115.51,15.6 132.05,15.6 136.95,20.5 136.95,50.2 v1(133.2,53.95)
/mcu/AV4: length 114.7
  Top w0.2: U4.29 68.75,32.2 68.64,32.31 v1(68.64,33.59) ; R72.1 133.82,50 v1(133.1,50)
  Top w0.35: R72.1 R76.2
  Bottom w0.2: v1(133.1,50) 136.55,46.55 136.55,20.66 131.89,16 115.67,16 106.57,25.1 98.23,25.1 89.88,33.45 73.54,33.45 72.96,32.86 69.36,32.86 v1(68.64,33.59)
/mcu/AV5: length 94.5
  Top w0.2: U4.34 71.25,28.31 71.96,27.6 72,27.6 72.02,27.58 v1(72.02,27.33) ; 142.34,30.76 v1(142.38,30.76) 143.16,31.54 143.16,32.58 R61.2 R57.1
  Bottom w0.2: v1(72.02,27.33) 72.35,27 93.5,27 97.4,23.1 105.75,23.1 114.85,14 134.15,14 138.95,18.8 138.95,26.75 142.38,30.18 v1(142.38,30.76)
/mcu/AV6: length 103.8
  Top w0.2: v1(72.25,28.3) 71.78,28.78 71.78,29.73 U4.35 ; v1(143.25,42.25) 143.1,42.1 R62.2 143.09,40.75 R58.1